# KiCad board controller_rev5.0_flat.kicad_pcb (continued)
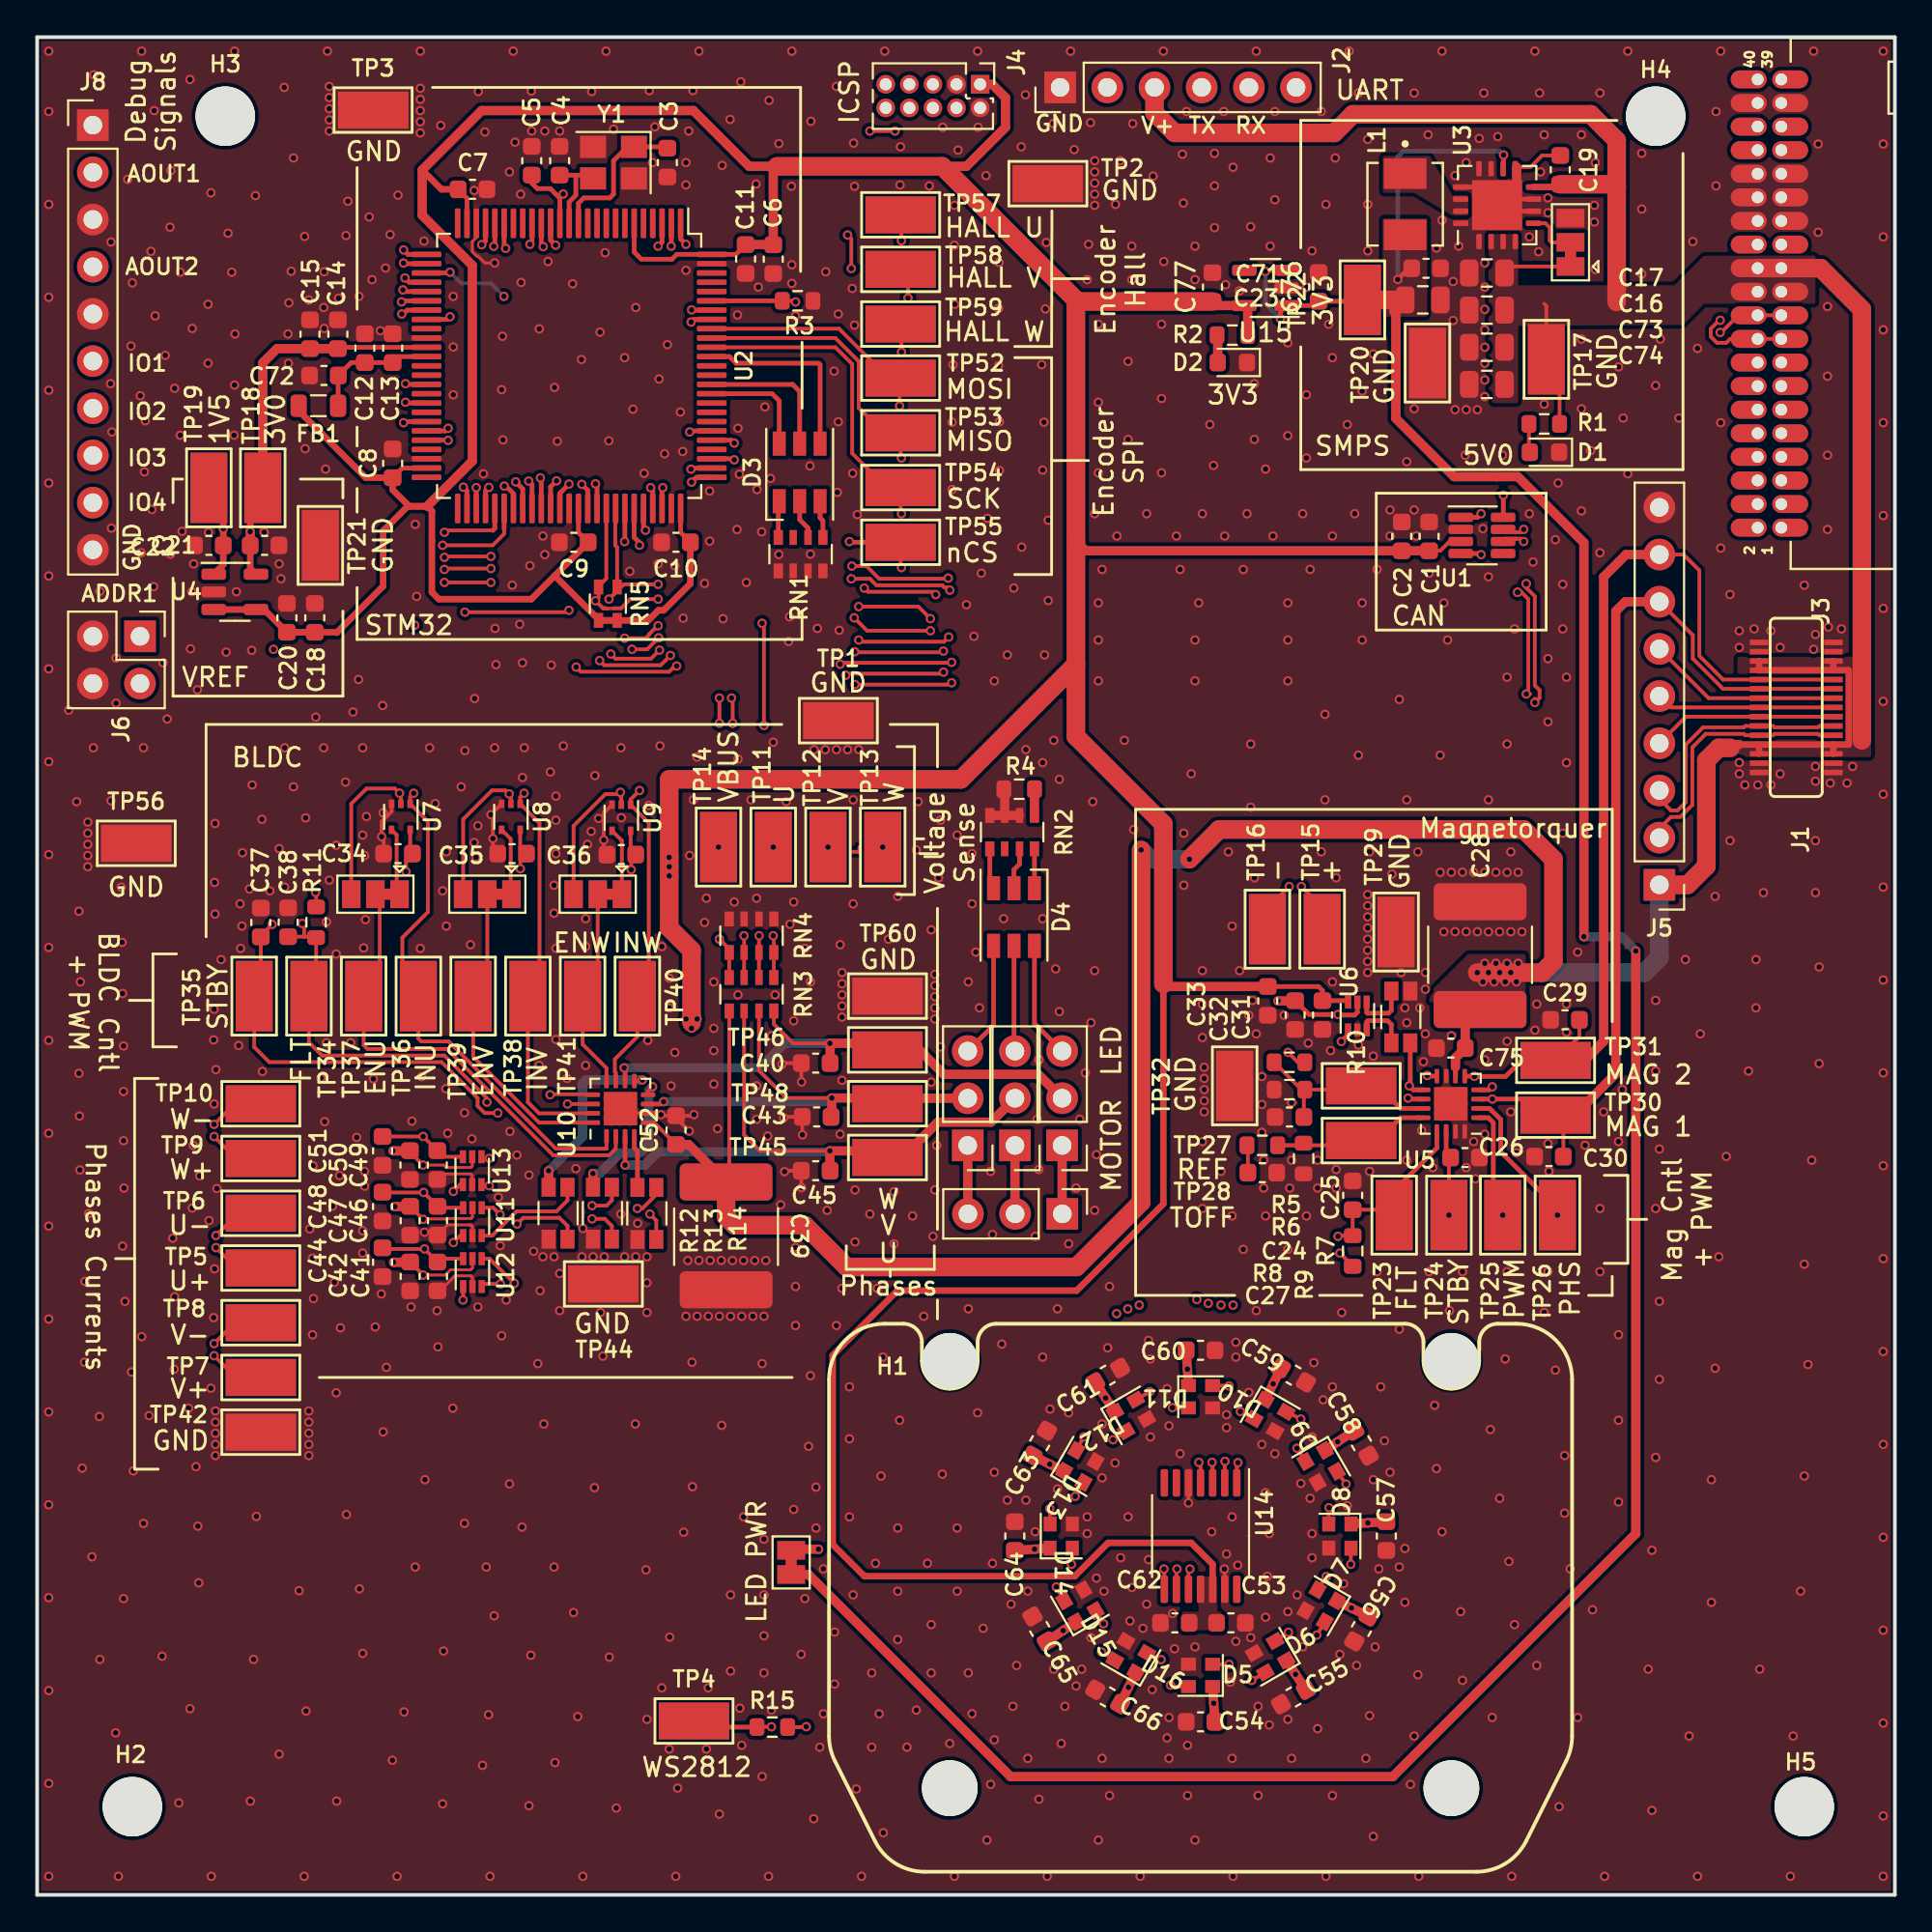
[diagram p0: board, top side]
## Routing (per net, layer and track width the routed paths; a pad name or vN(x,y) marks a point on that pad's centre or on a via; arc(x,y) is an arc through that point) (continued)
VBUS: length 228.3
  Top w0.2: C17.1 79.34,87.66 JP4.1 ; U10.5 33.21,41.57 C52.1 ; RN3.5 37.26,38.54 C39.1 ; R1.1 81.95,81.95 TP17.1 81.24,85.53 81.13,85.65
  Top w0.25: U5.6 76.35,44.57
  Top w0.35: C19.1 81.84,91.93 U3.8 ; J1.P$28 J1.P$27 ; J1.P$27 97.5,61.92 97.52,61.94 97.52,65.9 97.5,65.92 J1.P$12 J1.P$13 ; J1.P$27 J1.P$4 ; J1.P$18 J1.P$19 ; J1.P$3 J1.P$4 ; J1.P$4 91.6,61.92
  Top w0.5: 89.83,55.35 89.83,61.05 90.7,61.92 91.6,61.92 ; C28.1 76.87,46.86 C75.1 76.35,45.06 76.35,44.57 ; C52.1 35.06,40.39 C39.1
  Top w1: v1(59.43,56.25) 59.43,37.28 55.95,33.8 43.57,33.8 41.33,36.05 37.54,36.05 37.08,36.51 C39.1 ; J2.3 60.15,95.92 61.23,94.85 69.83,94.85 70.83,95.85 83.63,95.85 85.03,94.45 85.03,91.95 ; C19.1 84.89,92.08 85.03,91.95 ; v1(62.03,55.75) 63.63,57.35 80.03,57.35 81.63,55.75 81.63,50.25 81.02,49.64 v1(77.53,49.64) ; 85.03,91.95 85.03,85.75 ; 98.23,62.15 98.23,85.35 96.01,87.57 J3.24 ; J5.1 88.85,54.37 89.85,55.37 89.85,61.07 90.52,61.74 91.14,61.74
  Bottom w1: J5.1 87.33,50.45 86.52,49.64 v1(77.53,49.64) ; v1(62.03,55.75) 59.93,55.75 v1(59.43,56.25)
  vias: v1(77.83,49.14) v1(77.93,50.14) v1(78.13,49.65) v1(78.43,49.15) v1(78.53,50.15) v1(78.73,49.65) v1(79.03,49.15) v1(79.13,50.15) v1(79.33,49.65) v1(79.63,49.15) v1(79.73,50.15)
(no net): length 0.6
  Top w0.2: 44.26,56.4 44.26,56.15 43.93,56.15
/ADDR1: length 23
  Top w0.2: 24.53,73.45 22.02,73.45 v1(21.92,73.35)
  Top w0.25: 24.53,73.45 24.64,73.56 U2.55
  In1.Cu w0.2: v1(21.92,73.35) 21.33,73.35 20.53,72.55 20.53,71.84 16.68,68 9.78,68 9.53,67.75 J6.1
/ADDR2: length 24.3
  Top w0.2: v1(21.83,72.65) 24.53,72.65 25.14,73.26 25.14,73.53
  Top w0.25: U2.56 25.14,73.53
  In1.Cu w0.2: J6.2 7.49,65.21 9.93,67.65 16.83,67.65 v1(21.83,72.65)
/BLDC_EN: length 30.7
  Top w0.2: v1(24.43,70.65) v1(21.92,70.65) ; R11.1 15.02,53.94 v1(14.99,53.97)
  Top w0.25: U2.59 26.64,75.93 v1(26.46,76.1)
  In1.Cu w0.2: v1(21.92,70.65) 21.92,65.04 19.16,62.27 19.16,60.45 15.03,56.32 15.03,54.01 v1(14.99,53.97) ; v1(24.43,70.65) 26.46,72.68 v1(26.46,76.1)
/BLDC_FAULT: length 57.2
  Top w0.2: C37.1 14.38,51.58 ; 14.38,51.58 14.97,51.58 R11.2 15.02,48.76 TP34.1 14.63,45.89 15.34,45.18 21.92,45.18 24.21,42.88 v1(24.21,42.67) ; 14.38,51.58 14.38,52.19 v1(14.27,52.29) ; v1(21.92,71.35) 21.97,71.39 v1(24.43,71.39) ; v1(27.61,43.07) 27.64,43.1 29.88,43.1 U10.13
  Top w0.25: U2.58 26.14,75.68 v1(25.76,76.06)
  In1.Cu w0.2: v1(24.21,42.67) 24.61,43.07 v1(27.61,43.07) ; v1(14.27,52.29) 14.27,56.06 18.8,60.59 18.8,62.42 21.57,65.19 21.57,70.05 21.37,70.25 21.37,71.09 21.63,71.35 v1(21.92,71.35) ; v1(25.76,76.06) 26.08,75.74 26.08,72.99 24.49,71.39 v1(24.43,71.39)
/BLDC_INHU: length 51.2
  Top w0.2: v1(28.63,69.15) 28.53,69.05 v1(23.03,69.05) ; v1(20.27,59.3) 20.08,59.11 U7.1 21.03,57.78 21.03,52.9 19.66,51.53 19.66,49.24 TP36.1 20.52,46.09 20.68,45.94 22.15,45.94 27.92,40.17 30.65,40.17 30.65,40.83
  Top w0.25: v1(31.62,72.85) 31.64,72.86 U2.69
  In1.Cu w0.2: v1(28.63,69.15) 28.83,69.15 31.62,71.94 v1(31.62,72.85) ; v1(23.03,69.05) 23.03,65.15 20.27,62.39 v1(20.27,59.3)
/BLDC_INHV: length 43.6
  Top w0.2: U10.15 27.02,42.07 26.42,42.67 TP38.1 27.04,49.01 27.04,57.69 U8.1 26,59.09 v1(26.21,59.3)
  Top w0.25: v1(32.42,72.65) 32.42,72.79 32.14,73.08 U2.70
  In1.Cu w0.2: v1(26.21,59.3) 26.77,59.3 27.53,58.55 31.73,58.55 31.92,58.74 31.92,59.65 32.53,60.26 32.53,72.55 v1(32.42,72.65)
/BLDC_INHW: length 32.5
  Top w0.2: v1(32.43,59.45) 31.95,58.97 U9.1 32.92,57.7 32.92,48.99 TP40.1 32.31,46.19 31.1,44.98 31.1,44.31 31.15,44.26 U10.11
  Top w0.25: U2.71 32.64,73.57 v1(32.75,73.46)
  In1.Cu w0.2: v1(32.75,73.46) 32.93,73.28 32.93,59.95 v1(32.43,59.45)
/BLDC_INLU: length 27.6
  Top w0.2: U7.2 19.58,59.23 v1(19.51,59.3) 19.25,59.55 17.73,59.55 16.91,58.73 JP5.3
  Top w0.25: U2.52 23.14,75.58 v1(22.94,75.77)
  In1.Cu w0.2: v1(22.94,75.77) 22.43,75.26 22.43,65.05 19.51,62.13 v1(19.51,59.3)
/BLDC_INLV: length 26.9
  Top w0.2: v1(25.41,59.26) 25.5,59.17 U8.2 25.5,59.16 25.2,59.45 24.49,59.45 22.93,57.9 JP6.3
  Top w0.25: v1(23.64,75.75) 23.64,75.75 U2.53
  In1.Cu w0.2: v1(23.64,75.75) 23.57,75.69 23.57,65.68 25.53,63.72 25.53,59.38 v1(25.41,59.26)
/BLDC_INLW: length 29.8
  Top w0.2: v1(31.39,59.35) 31.45,59.3 U9.2 31.45,59.11 31.3,59.25 30.58,59.25 28.88,57.54 JP7.3
  Top w0.25: v1(24.32,75.76) 24.14,75.59 U2.54
  In1.Cu w0.2: v1(24.32,75.76) 24.32,75.72 23.93,75.33 23.93,65.82 27.82,61.92 27.82,61.64 30.11,59.35 v1(31.39,59.35)
/BLDC_STBY: length 59.7
  Top w0.2: v1(24.8,42.09) 24.09,42.09 23.71,42.46 23.71,42.89 21.77,44.83 12.49,44.83 11.68,45.64 TP35.1 12.04,48.73 C38.1 12.04,51.63 v1(12.65,52.24) ; v1(24.43,72.05) 21.97,72.05 v1(21.92,72) ; U10.14 28.55,42.57 v1(28.55,42.57)
  Top w0.25: v1(25.15,75.83) 25.24,75.83 25.64,75.43 U2.57
  In1.Cu w0.2: v1(28.55,42.57) 28.52,42.54 25.25,42.54 v1(24.8,42.09) ; v1(12.65,52.24) 13.12,52.24 13.92,53.05 13.92,56.21 18.45,60.74 18.45,62.57 21.02,65.13 21.02,71.24 21.78,72 v1(21.92,72) ; v1(24.43,72.05) 24.54,72.05 25.73,73.24 25.73,75.25 v1(25.15,75.83)
/BOOT: length 83.6
  Top w0.2: J5.6 89.97,64.42 J1.P$22 ; v1(43.63,89.35) 43.83,89.15 v1(43.83,87.55) ; v1(40.83,85.75) 40.76,85.81 R3.1
  Top w0.25: R3.1 40.11,85.81 U2.95
  In1.Cu w0.2: J5.6 81.9,67.07 78.83,70.15 78.83,73.65 80.13,74.95 80.13,76.15 79.73,76.55 67.73,76.55 66.43,77.85 66.43,85.45 62.28,89.59 43.87,89.59 v1(43.63,89.35) ; v1(40.83,85.75) 42.03,85.75 v1(43.83,87.55)
/CAN+: length 74.5
  Top w0.2: J3.17 J3.18 91.14,83.76 90.93,83.55 90.43,83.55 90.09,83.88 90.09,84.31 90.54,84.76 v1(90.6,84.76) ; v1(79.69,70.12) 79.91,70.12 80.27,69.75 80.27,64.75 v1(80.16,64.64) 80.37,64.64 ; v1(80.02,73.5) 79.87,73.35 79.61,73.35 79.06,73.35 U1.7 ; J5.3 87.33,59 87.95,58.38 88.31,58.38 88.75,58.82 88.75,61.92 89.67,62.85 91.87,62.85 91.94,62.92 J1.P$6 93.44,62.92 93.52,62.85 95.87,62.85 95.94,62.92 J1.P$25
  In1.Cu w0.2: v1(90.6,84.76) 90.45,84.61 88.84,84.61 88.15,83.92 88.15,81.12 80.38,73.35 80.17,73.35 v1(80.02,73.5) 79.87,73.35 79.81,73.35 79.52,73.06 79.52,73 79.35,72.83 79.35,70.67 79.69,70.33 v1(79.69,70.12) ; J5.3 88.42,58.36 89.05,58.36 89.5,57.91 89.5,52.37 88.9,51.77 86.15,51.77 85.45,52.47 85.45,55.97 80.16,61.26 80.16,63.93 80.12,63.97 80.12,64.39 80.16,64.43 v1(80.16,64.64)
/CAN-: length 70.7
  Top w0.2: v1(80.16,70.58) 80.16,70.37 80.62,69.9 80.62,65.1 80.87,64.85 80.87,64.43 v1(80.62,64.18) 80.62,64.39 ; U1.6 79.06,73 79.61,73 79.87,73 v1(80.02,72.85) ; J5.2 87.33,57.4 87.95,58.02 88.45,58.02 89.1,58.67 89.1,61.77 89.82,62.49 91.87,62.49 91.94,62.42 J1.P$5 93.44,62.42 93.52,62.49 95.87,62.49 95.94,62.42 J1.P$26 ; J3.19 J3.20 91.58,85.03 90.65,84.1 v1(90.6,84.1)
  In1.Cu w0.2: v1(80.16,70.58) 79.94,70.58 79.7,70.82 79.7,72.68 79.87,72.85 v1(80.02,72.85) 80.17,73 80.53,73 88.5,80.97 88.5,83.77 88.98,84.25 90.45,84.25 v1(90.6,84.1) ; J5.2 88.42,58 88.91,58 89.15,57.76 89.15,52.52 88.75,52.12 86.3,52.12 85.8,52.62 85.8,56.12 80.51,61.41 80.51,64.07 v1(80.62,64.18)
/CAN_RX: length 56
  Top w0.2: v1(49.13,70.23) 48.98,70.38 48.84,70.38 48.72,70.49 45.18,70.49 44.83,70.85 44.82,70.84 v1(43.83,70.84)
  Top w0.25: v1(33.03,75.75) 33.14,75.63 U2.72 ; U1.4 77.67,72.2 v1(77.73,72.15)
  In1.Cu w0.2: v1(43.83,70.84) 43.73,70.94 43.73,70.95 42.77,71.9 42.77,72.77 40.85,74.69 35.18,74.69 34.48,75.39 34.13,75.39 33.98,75.24 33.47,75.24 33.03,75.69 v1(33.03,75.75) ; v1(49.13,70.23) 49.21,70.23 49.98,71 49.98,74 51.17,75.19 76.38,75.19 77.13,74.45 77.13,72.75 v1(77.73,72.15)
/CAN_SILENT: length 53.4
  Top w0.2: v1(44.53,70.34) 44.73,70.14 48.22,70.14 v1(48.37,69.99)
  Top w0.25: v1(37.53,78.15) 37.37,78.31 U2.80 ; v1(78.93,75.35) 78.93,74.17 U1.8
  In1.Cu w0.2: v1(48.37,69.99) 48.54,70.16 48.54,71.09 49.27,71.82 49.27,74.29 50.88,75.9 78.37,75.9 v1(78.93,75.35) ; v1(44.53,70.34) 44.43,70.44 44.43,72.95 42.03,75.35
  In1.Cu w0.25: 42.03,75.35 39.23,78.15 v1(37.53,78.15)
/CAN_TX: length 52.9
  Top w0.2: v1(43.86,71.53) 44.64,71.53 45.33,70.85 49.01,70.85 v1(49.04,70.88)
  Top w0.25: U2.73 33.64,75.71 v1(33.68,75.75) ; v1(77.73,74.35) 77.53,74.15 U1.1
  In1.Cu w0.2: v1(49.04,70.88) 49.04,70.96 49.63,71.55 49.63,74.15 51.03,75.55 76.53,75.55 v1(77.73,74.35) ; v1(33.68,75.75) 34.63,75.75 35.33,75.05 40.99,75.05 43.13,72.91 43.13,72.05 43.64,71.53 v1(43.86,71.53)
/DEBUG_SWCLK: length 37.8
  Top w0.25: U2.77 35.25,76.81 v1(35.19,76.75)
  In1.Cu w0.2: J4.9 44.93,96.71 44.93,95.85 45.33,95.44 45.33,91.65 44.68,91 33.08,91 31.47,89.39 31.47,87.61 34.02,85.06 34.02,84.7 34.27,84.45 34.27,84.2 36.67,81.8 36.67,78.59 36.67,78.59 36.67,77.99 35.43,76.75 v1(35.19,76.75)
/DEBUG_SWDIO: length 36.8
  Top w0.25: U2.76 35.48,76.31 v1(35.23,76.05)
  In1.Cu w0.2: J4.10 45.68,91.5 44.83,90.65 33.23,90.65 31.82,89.24 31.82,87.76 34.37,85.2 34.37,84.97 34.63,84.71 34.63,84.35 37.03,81.95 37.03,78.45 37.02,78.44 37.02,77.84 v1(35.23,76.05)
/GPIO1: length 21.7
  Top w0.25: v1(19.8,87.04) 20.03,86.81 U2.29
  In1.Cu w0.2: J8.6 4.81,82.56 7,80.37 12.36,80.37 19.02,87.04 v1(19.8,87.04)
/GPIO2: length 20.6
  Top w0.25: U2.30 19.78,86.31 v1(19.69,86.4)
  In1.Cu w0.2: J8.7 12.51,80.02 18.88,86.4 v1(19.69,86.4)
/GPIO3: length 21.4
  Top w0.25: U2.31 19.67,85.81 v1(19.61,85.75)
  In1.Cu w0.2: J8.8 5.04,77.48 7.23,79.67 12.65,79.67 18.73,85.75 v1(19.61,85.75)
/GPIO4: length 22.3
  Top w0.25: v1(19.63,85.1) 19.71,85.1 19.92,85.31 U2.32
  In1.Cu w0.2: J8.9 7.37,79.32 12.8,79.32 18.57,85.1 v1(19.63,85.1)
/HALL_U: length 94.9
  Top w0.2: v1(62.05,17.54) 61.98,17.46 U14.10 ; v1(46.53,89.05) 46.53,90.39 TP57.1
  Top w0.25: U2.1 34.64,89.13 v1(34.93,88.85)
  In1.Cu w0.2: v1(34.93,88.85) 46.33,88.85 v1(46.53,89.05) 47.38,88.19 47.38,81.81 46.42,80.85 46.13,80.85 45.73,80.45 45.73,70.89 46.17,70.45 46.17,63.1 58.87,50.4 58.87,35.3 59.33,34.85 v1(59.33,31.75)
  In2.Cu w0.2: v1(62.05,17.54) 62.05,19.62 59.33,22.35 v1(59.33,31.75)
/HALL_V: length 94.4
  Top w0.2: v1(46.88,85.96) 46.88,87.11 TP58.1 ; v1(61.35,17.54) 61.33,17.51 U14.9
  Top w0.25: U2.2 34.14,88.76 v1(34.13,88.75)
  In1.Cu w0.2: v1(58.71,31.54) 58.71,32.08 58.97,32.35 58.97,34.7 58.52,35.16 58.52,50.25 45.82,62.95 45.82,70.3 45.37,70.75 45.37,80.59 45.98,81.2 46.27,81.2 47.03,81.95 47.03,82.84 47.03,82.84 47.03,85.81 v1(46.88,85.96) 46.88,86.14 44.53,88.49 35.53,88.49 35.38,88.34 34.53,88.34 v1(34.13,88.75)
  In2.Cu w0.2: v1(58.71,31.54) 58.97,31.27 58.97,22.2 61.35,19.82 v1(61.35,17.54)
/HALL_W: length 94.5
  Top w0.2: v1(46.53,83.05) 46.53,84.51 TP59.1 ; v1(60.66,17.54) 60.68,17.52 U14.8
  Top w0.25: U2.3 33.64,88.96 v1(33.43,88.75)
  In1.Cu w0.2: v1(33.43,88.75) 33.43,88.74 34.17,87.99 35.52,87.99 35.67,88.14 44.38,88.14 45.83,86.7 45.83,83.75 v1(46.53,83.05) 46.53,81.95 46.13,81.55 45.83,81.55 45.02,80.74 45.02,70.6 45.47,70.16 45.47,62.81 58.17,50.11 58.17,35.01 58.62,34.56 58.62,32.49 58.35,32.23 58.35,32.05 58.11,31.8 v1(58.11,31.29)
  In2.Cu w0.2: v1(60.66,17.54) 60.66,20.02 58.62,22.06 58.62,30.77 v1(58.11,31.29)
/I2C_SCL: length 77.6
  Top w0.152: 31.13,69.26 31.13,69.25 30.58,69.25 ; v1(30.06,69.66) 30.47,69.25
  Top w0.2: v1(48.08,68.05) 44.68,68.05 v1(43.98,68.74) ; U2.67 30.64,70.86 30.22,70.44 30.22,69.82 v1(30.06,69.66) 30.46,69.26 ; 30.46,69.26 30.57,69.26 30.58,69.25 30.72,69.25 30.46,69.26 ; 31,69.26 31.43,69.26 31.93,69.75 v1(33.43,69.75) ; J5.4 88.76,63.42 J1.P$24
  In1.Cu w0.2: v1(48.08,68.05) 48.14,68.05 48.54,68.45 77.53,68.45 84.13,61.85 87.18,61.85 J5.4 ; v1(33.43,69.75) 33.58,69.75 33.78,69.55 42.23,69.55 43.03,68.74 v1(43.98,68.74)
/I2C_SDA: length 76.3
  Top w0.2: v1(48.08,68.7) 47.43,69.35 v1(44.23,69.35) ; v1(33.43,70.55) 31.58,70.55 v1(30.78,69.75) 31.22,70.19 31.22,72.54 31.12,72.64 31.12,73.81 31.14,73.83 U2.68 ; J5.5 87.93,63.92 J1.P$23
  In1.Cu w0.2: 81.07,65.4 77.67,68.8 48.18,68.8 v1(48.08,68.7) 48.14,68.7 ; 81.07,65.4 84.02,62.45 85.43,62.45 ; 81.07,65.4 81.02,65.45 ; v1(44.23,69.35) 42.92,69.35 42.37,69.9 34.08,69.9 v1(33.43,70.55) ; 85.28,62.3 85.43,62.45 ; 85.43,62.45 87.33,64.35 J5.5
/ISENSE_MAG_N: length 83.7
  Top w0.2: v1(67.4,54.27) 66.23,53.1 TP16.1
  Top w0.25: U2.46 22.11,78.31 v1(22.13,78.29)
  In2.Cu w0.2: v1(66.8,48.12) 66.83,48.15 66.83,49.4 67.55,50.12 67.55,54.12 v1(67.4,54.27) 67.55,54.42 67.55,62.17 66.15,63.57 21.85,63.57 18.15,67.27 18.15,76.12 19.68,77.65 21.48,77.65 v1(22.13,78.29)
/ISENSE_MAG_P: length 89.7
  Top w0.2: TP15.1 69.17,53.15 v1(68.05,54.27)
  Top w0.25: v1(70.21,45.94) 70.57,46.3 U6.1 ; v1(22.13,78.95) 21.98,78.81 U2.45
  In2.Cu w0.2: 70.21,46.57 v1(70.21,45.94) 70.09,45.94 67.2,48.82 67.2,49.27 67.9,49.97 67.9,54.12 v1(68.05,54.27) 67.9,54.42 67.9,62.32 66.3,63.92 22,63.92 18.5,67.42 18.5,75.97 19.82,77.29 21.62,77.29 22.12,77.79 22.33,77.79 22.63,78.09 22.63,78.5 22.18,78.95 v1(22.13,78.95)
  In2.Cu w0.25: v1(70.21,45.94) 70.21,45.94 70.23,45.95
/ISENSE_U_N: length 90.2
  Top w0.2: TP6.1 10.83,36.69 v1(9.63,35.49)
  Top w0.25: v1(24.58,88.74) 24.64,88.8 U2.21
  In2.Cu w0.2: v1(24.58,88.74) 24.67,88.83 24.67,91.85 24.15,92.37 16.4,92.37 12.9,88.87 12.9,78.12 15.4,75.62 15.4,66.27 7.7,58.57 7.7,36.52 8.88,35.34 9.48,35.34 v1(9.63,35.49) 9.78,35.34 15.57,35.34 17.28,37.05 18.03,37.05 18.03,37.05 v1(19.25,37.05)
/ISENSE_U_P: length 96.6
  Top w0.2: TP5.1 10.72,33.74 v1(9.63,34.84) ; U11.1 22.78,35.49 v1(22.41,35.11)
  Top w0.25: v1(25.22,88.63) 25.14,88.71 U2.20
  In2.Cu w0.2: v1(25.22,88.63) 25.08,88.77 25.08,88.95 25.02,89.01 25.02,92 24.3,92.72 16.25,92.72 12.55,89.02 12.55,77.97 15.05,75.47 15.05,66.42 7.35,58.72 7.35,36.37 8.73,34.99 9.48,34.99 v1(9.63,34.84) 9.78,34.99 15.72,34.99 17.27,36.55 18.63,36.55 19.53,35.65 21.23,35.65 21.76,35.11 v1(22.41,35.11)
/ISENSE_V_N: length 104.8
  Top w0.2: TP8.1 10.65,30.8 v1(9.53,29.67)
  Top w0.25: U2.16 27.14,88.83 v1(27.24,88.73)
  In2.Cu w0.2: v1(19.19,34.05) 18.13,34.05 17.05,32.97 17.05,30.22 16.35,29.52 9.68,29.52 v1(9.53,29.67) 9.38,29.52 9,29.52 6.6,31.92 6.6,59.07 14.2,66.67 14.2,75.02 11.7,77.52 11.7,89.47 15.7,93.47 26.35,93.47 27.44,92.39 27.44,89.04 27.41,89.01 27.41,88.89 v1(27.24,88.73)
/ISENSE_V_P: length 111.4
  Top w0.2: v1(9.53,29.02) 10.69,27.85 TP7.1 ; U12.1 22.93,32.03 v1(22.92,32.02)
  Top w0.25: v1(27.91,88.8) 27.64,89.07 U2.15
  In2.Cu w0.2: v1(22.92,32.02) 21.41,32.02 20.19,33.25 19.13,33.25 18.83,33.55 18.23,33.55 17.4,32.72 17.4,30.07 16.5,29.17 9.68,29.17 v1(9.53,29.02) 9.38,29.17 8.85,29.17 6.25,31.77 6.25,59.22 13.85,66.82 13.85,74.87 11.35,77.37 11.35,89.62 15.55,93.82 26.5,93.82 27.79,92.53 27.79,88.92 v1(27.91,88.8)
/ISENSE_W_N: length 64.1
  Top w0.2: TP10.1 10.64,42.58 v1(9.53,41.47)
  Top w0.25: v1(19.83,81.35) 19.87,81.31 U2.40
  In2.Cu w0.2: 16.25,65.72 8.8,58.27 8.8,41.52 9,41.32 9.38,41.32 v1(9.53,41.47) 9.68,41.32 14.4,41.32 15.9,39.82 18.93,39.82 v1(19.15,40.05) ; 16.25,65.72 16.3,65.77 ; 16.25,65.72 16.7,66.18 16.7,81.98 17.6,82.87 19.7,82.87 19.83,82.75 v1(19.83,81.35)
/ISENSE_W_P: length 71.6
  Top w0.2: v1(9.53,40.82) 10.71,39.64 TP9.1 ; v1(22.4,37.86) 22.77,38.23 U13.1
  Top w0.25: U2.33 22.08,84.81 v1(22.23,84.95)
  In2.Cu w0.2: v1(22.23,84.95) 20.93,83.65 17.88,83.65 16.35,82.12 16.35,66.32 8.45,58.42 8.45,41.37 8.85,40.97 9.38,40.97 v1(9.53,40.82) 9.68,40.97 14.25,40.97 15.78,39.45 18.73,39.45 19.53,38.65 21.62,38.65 v1(22.4,37.86)
/LED_B: length 10.3
  Top w0.25: D3.4 42.15,82.37 42.07,82.45 37.63,82.45 37.27,82.81 U2.89
/LED_DATA: length 105.6
  Top w0.2: v1(39.53,9.05) 38.77,9.05 R15.1
  Top w0.25: R15.1 35.69,9.03 TP4.1 ; v1(35.13,78.75) 35.18,78.81 U2.81
  In1.Cu w0.2: v1(39.53,9.05) 38.43,10.15 38.43,19.55 43.03,24.15 43.03,27.55 48.03,32.55 55.53,32.55 57.82,34.84 57.82,49.95 45.12,62.65 45.12,69.16 44.43,69.85 44.11,69.85 42.63,71.33 42.63,71.55 42.41,71.77 42.41,72.63 40.9,74.15 33.03,74.15 31.98,75.2 31.98,76.75 33.98,78.75 v1(35.13,78.75)
/LED_G: length 7.7
  Top w0.25: U2.86 40.67,81.31 41.05,80.93 D3.5
/LED_R: length 6.1
  Top w0.25: U2.85 39.57,80.81 39.95,80.43 D3.6
/MAG_1: length 57.2
  Top w0.2: J1.P$21 90.75,64.92 89.13,66.55 89.13,67.81 J5.7 ; TP30.1 82.16,41.55 C30.1
  Top w0.25: TP30.1 80.87,42.84 v1(78.33,42.84) 78.33,42.83 U5.3 ; v1(73.8,42.89) 73.85,42.83 U5.10
  Top w0.5: J5.7 85.49,69.61 84.98,69.1 84.98,44.2 82.75,41.97 TP30.1
  In1.Cu w0.25: v1(78.33,42.84) 76.96,41.47 75.03,41.47 73.8,42.7 v1(73.8,42.89)
/MAG_2: length 58
  Top w0.2: J5.8 88.62,72.15 89.48,71.29 89.48,66.69 90.75,65.42 J1.P$20 ; C29.1 83.02,46.2 TP31.1
  Top w0.25: U5.8 74.86,44.07 v1(74.83,44.11) ; TP31.1 79.91,44.92 79.04,44.06 v1(77.37,44.06) 77.35,44.07 U5.5
  Top w0.5: J5.8 85.53,72.15 84.33,70.95 84.33,45.95 83.3,44.92 TP31.1
  In1.Cu w0.25: v1(77.37,44.06) 76.66,44.77 75.49,44.77 v1(74.83,44.11)
/MAG_EN: length 80.9
  Top w0.2: v1(43.23,66.25) 43.3,66.32 49.2,66.32 v1(49.23,66.35) ; R7.1 70.82,33.86 v1(70.13,34.55) ; v1(30.88,66.79) 31.13,66.54 33.04,66.54 v1(33.5,67)
  Top w0.25: U2.62 28.14,75.45 v1(28.63,75.94)
  In1.Cu w0.2: v1(30.88,66.79) 30.73,66.94 29.63,66.94 28.93,66.94 27.42,68.46 27.42,70.04 28.92,71.54 28.92,75.62 28.63,75.91 v1(28.63,75.94) ; v1(70.13,34.55) 70.23,34.45 70.23,33.85 69.63,33.25 64.42,33.25 61.34,36.33 61.34,51.63 49.93,63.04 49.93,64.05 50.08,64.2 50.08,65.6 49.33,66.35 v1(49.23,66.35) ; v1(43.23,66.25) 42.83,65.85 39.81,65.85 38.6,67.07 34.45,67.07 34.17,67.35 33.93,67.35 33.58,67 v1(33.5,67)